# Altium PCB Minion_1_SiC780A_Rev01.PcbDoc (part 4 of 6)
Units mil, origin at the board's own origin, x right, y up, seen from the top; angles counter-clockwise.
Board outline 3937.01 x 3937.01 mil, 4 copper layers (L1, L2, L3, L4), stack 62.087 mil thick; 410 components, 107 nets, 1950 pads, 1997 vias.
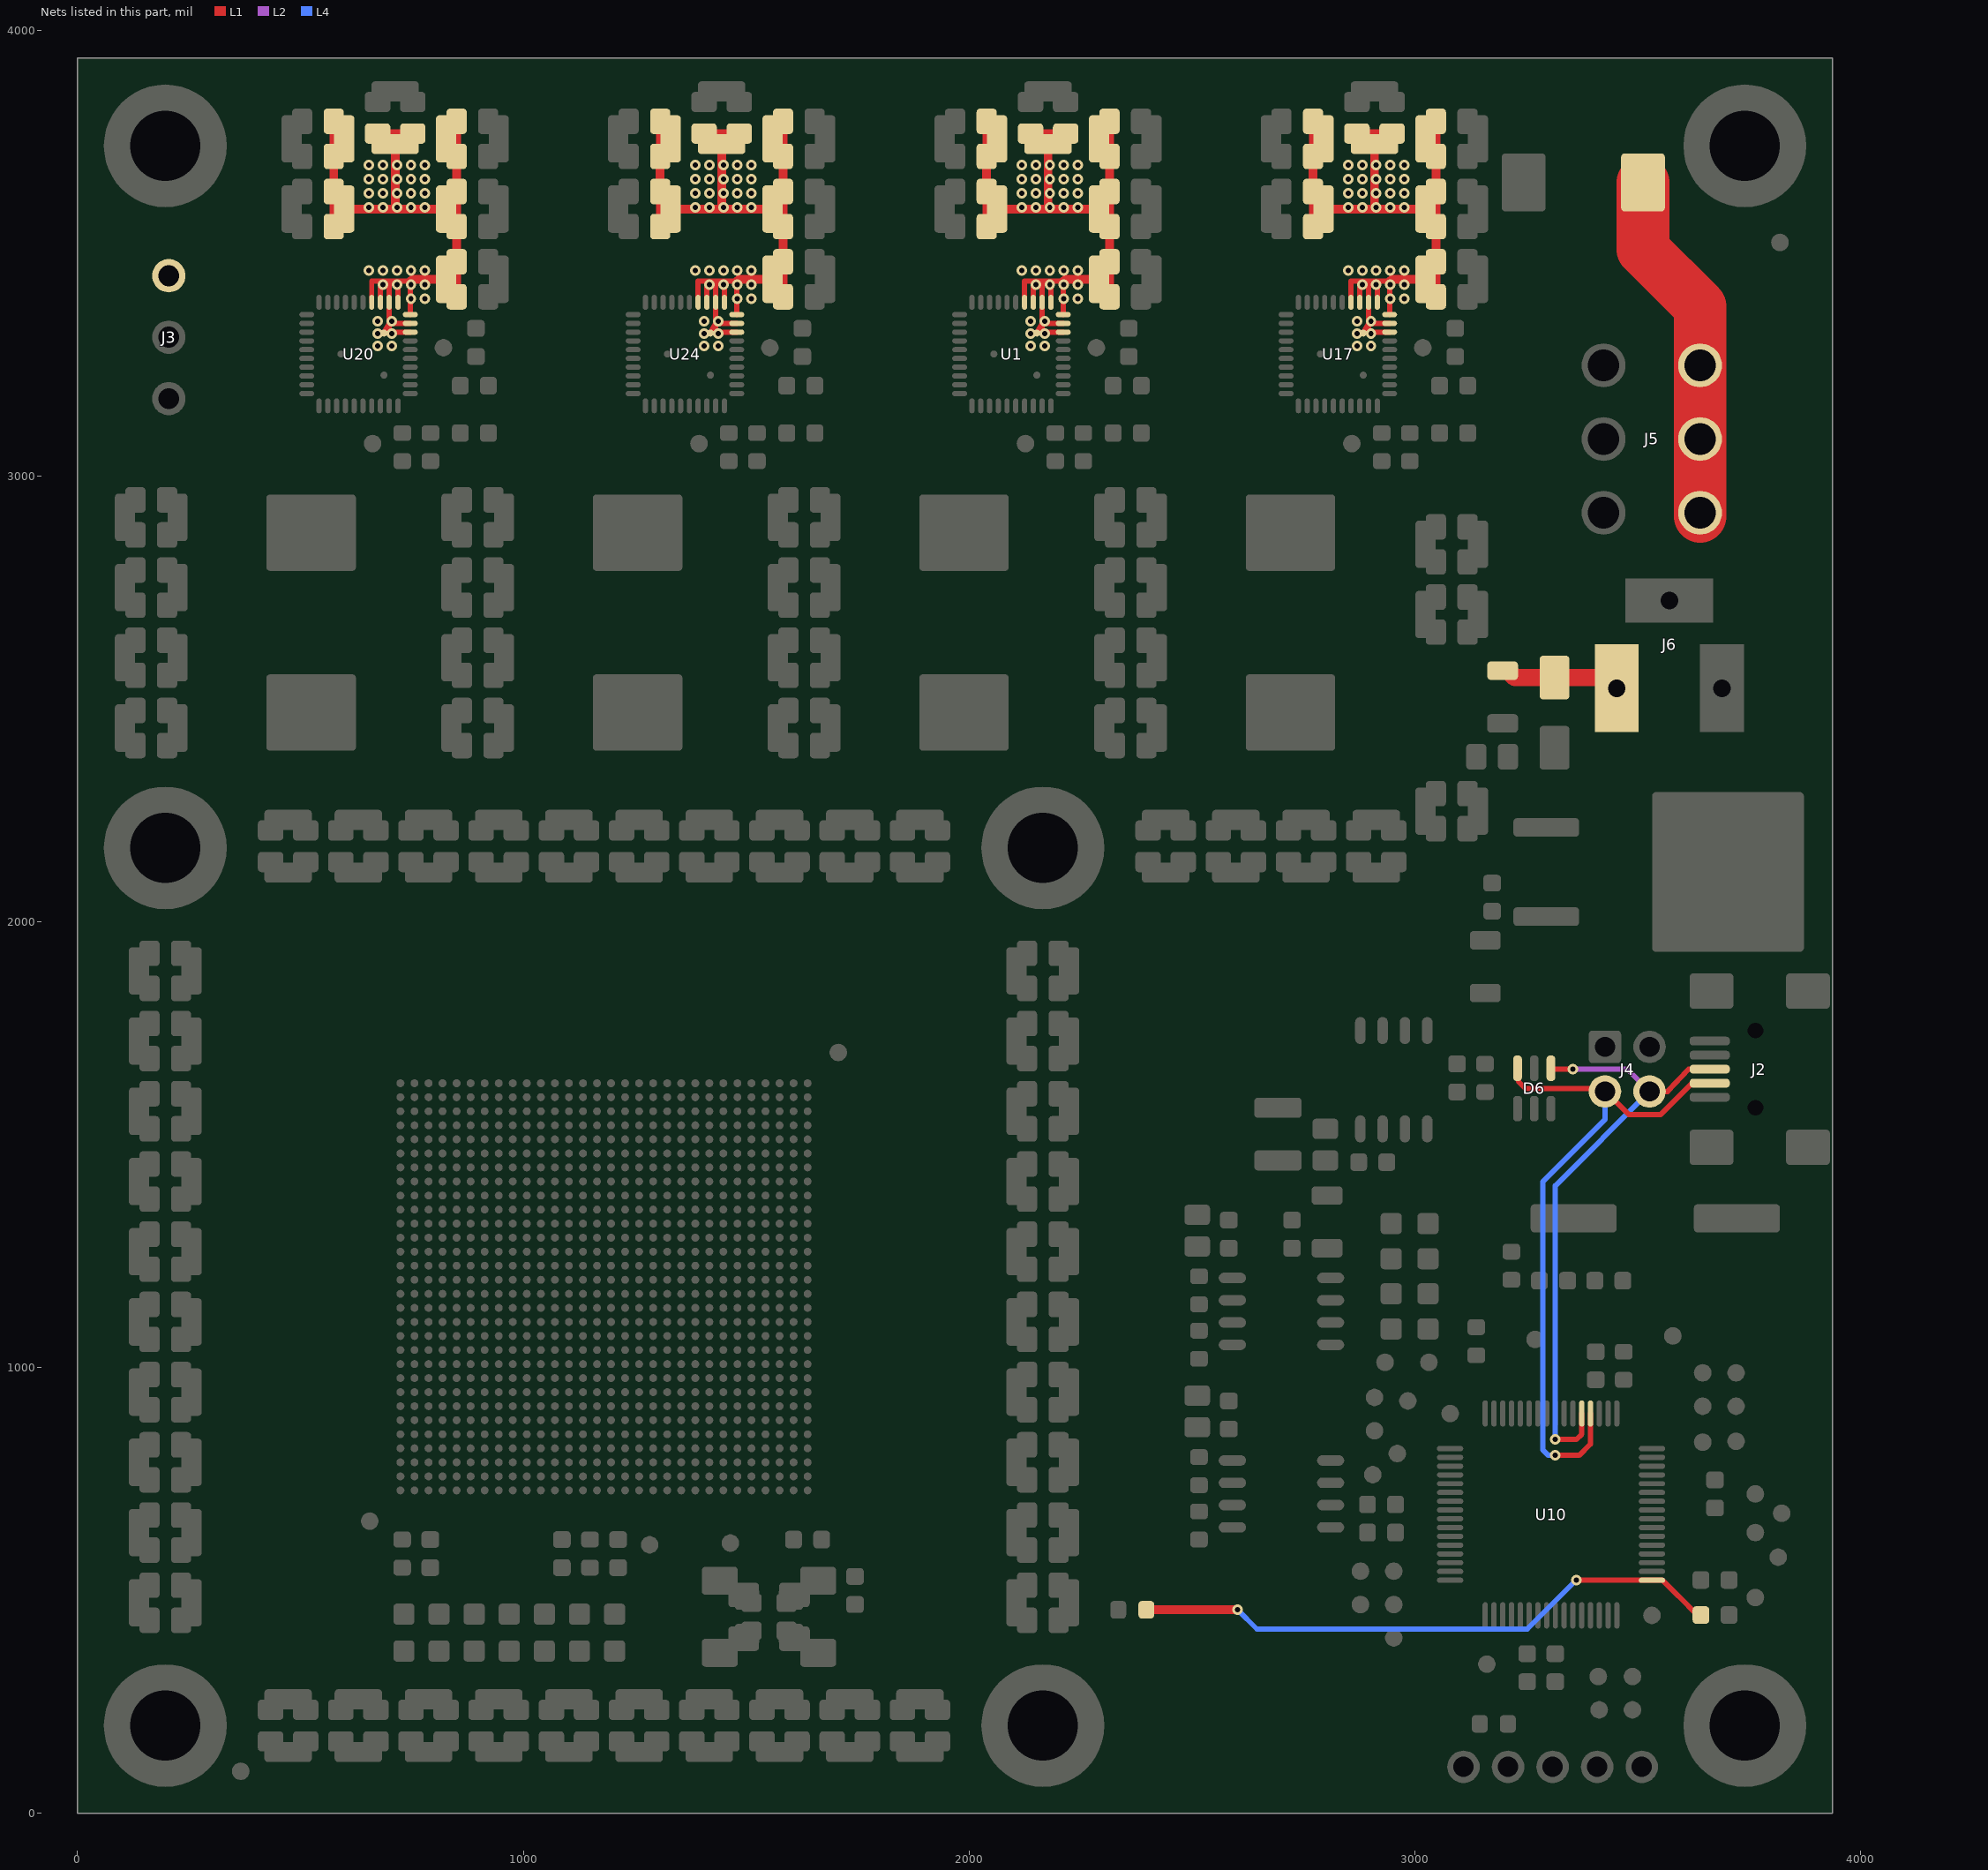
[diagram p6: the nets of this part, all layers, seen from the top]

## Via types
v1: diameter 23.62/23.62/23.62/23.62 (per signal layer), hole 11.81, L1 to L4, 1110 vias
v2: diameter 17.72/17.72/17.72/17.72 (per signal layer), hole 7.87, L1 to L4, 887 vias

## Nets (pads, with @x,y where several pads share a name; then routed paths per layer and width w, separated by ;. In a path a pad name is that pad's centre, name@x,y a point inside that pad or via, vN(x,y) a via of type N, cw(c..) or ccw(c..) an arc to the next point about the centre after c; other vN are vias at no path point) (continued)
12V: C20.1 C21.1 C23.1 C24.1 C25.1 C27.1 C28.1 C29.1 C31.1 C32.2 C41.2 C42.2 C43.2 C47.2 C49.1 C50.1 C51.1 C52.1 C68.1 C69.1 C70.1 C71.1 C92.2 C96.2 C97.1 C98.1 C99.2 C100.1 C101.2 C102.2 C108.1 C109.1 C110.1 C111.1 C112.1 C113.1 C114.1 C115.1 C116.1 C118.1 C119.1 C120.1 C122.1 C123.1 C124.1 C126.1 C127.1 C133.2 C134.2 C258.2 C259.2 C373.2 C374.2 C378.1 C379.1 C380.1 C404.2 C405.2 C406.2 C407.2 C596.2 C598.1 C599.2 C600.1 C602.2 C603.1 C605.2 C606.1 C640.1 C642.1 C711.1 C814.1 D8.2 D28.1 J3.3 J5.1 J5.2 J5.3 J6.1 R13.2 U1.8 U1.9 U1.10 U1.11 U1.12 U1.13 U1.14 U1.42 U17.8 U17.9 U17.10 U17.11 U17.12 U17.13 U17.14 U17.42 U20.8 U20.9 U20.10 U20.11 U20.12 U20.13 U20.14 U20.42 U24.8 U24.9 U24.10 U24.11 U24.12 U24.13 U24.14 U24.42 | length 8462.8
  L1 w11.81: U20.14@659.9,3389.36 659.9,3437.01 v1@679.59,3437.01 ; U20.13@679.59,3389.36 v1@679.59,3437.01 ; U20.42@687.46,3320.46 690.76,3326.51 v1@699.27,3342.11 ; U20.11@718.96,3389.36 v1@718.96,3437.01 ; U20.8@746.51,3322.43 699.27,3322.43 v1@699.27,3342.11 ; U20.9@746.51,3342.11 v1@699.27,3342.11 ; U20.10@746.51,3361.8 746.51,3437.01 v1@718.96,3437.01 ; U24.14@1392.18,3389.36 1392.18,3437.01 v1@1411.87,3437.01 ; U24.13@1411.87,3389.36 v1@1411.87,3437.01 ; U24.42@1419.74,3320.46 1423.04,3326.51 v1@1431.55,3342.11 ; U24.11@1451.24,3389.36 v1@1451.24,3437.01 ; v1@1478.75,3437.01 v1@1451.24,3437.01 ; U24.8@1478.8,3322.43 1431.55,3322.43 v1@1431.55,3342.11 ; U24.9@1478.8,3342.11 v1@1431.55,3342.11 ; U24.10@1478.8,3361.8 v1@1478.8,3437.01 ; U1.14@2124.47,3389.36 2124.47,3437.01 v1@2144.15,3437.01 ; U1.13@2144.15,3389.36 v1@2144.15,3437.01 ; U1.42@2152.03,3320.46 2155.33,3326.51 v1@2163.84,3342.11 ; U1.11@2183.52,3389.36 v1@2183.52,3437.01 ; v1@2211.04,3437.01 v1@2183.52,3437.01 ; U1.8@2211.08,3322.43 2163.84,3322.43 v1@2163.84,3342.11 ; U1.9@2211.08,3342.11 v1@2163.84,3342.11 ; U1.10@2211.08,3361.8 v1@2211.08,3437.01 ; U17.14@2856.75,3389.36 2856.75,3437.01 v1@2876.44,3437.01 ; U17.13@2876.44,3389.36 v1@2876.44,3437.01 ; U17.42@2884.31,3320.46 2887.61,3326.51 v1@2896.12,3342.11 ; U17.11@2915.81,3389.36 v1@2915.81,3437.01 ; U17.8@2943.36,3322.43 2896.12,3322.43 v1@2896.12,3342.11 ; U17.9@2943.36,3342.11 v1@2896.12,3342.11 ; U17.10@2943.36,3361.8 2943.36,3437.01 v1@2915.81,3437.01 ; v1@679.59,3437.01 699.27,3437.01 ; v1@699.27,3342.11 U20.12@699.27,3389.36 699.27,3437.01 ; 699.27,3437.01 v1@718.96,3437.01 ; v1@1411.87,3437.01 1431.55,3437.01 ; v1@1431.55,3342.11 U24.12@1431.55,3389.36 1431.55,3437.01 ; 1431.55,3437.01 v1@1451.24,3437.01 ; v1@2144.15,3437.01 2163.84,3437.01 ; v1@2163.84,3342.11 2163.84,3437.01 ; 2163.84,3437.01 v1@2183.52,3437.01 ; v1@2876.44,3437.01 2896.12,3437.01 ; v1@2896.12,3342.11 U17.12@2896.12,3389.36 2896.12,3437.01 ; 2896.12,3437.01 v1@2915.81,3437.01
  L1 w19.68: C711.1@574.8,3559.06 575.24,3598.68 575.25,3599.99 ; C606.1@574.8,3795.28 575.25,3757.47 ; C605.2@598.43,3755.91 575.25,3757.47 ; C378.1@673.23,3767.72 712.6,3767.72 ; v1@746.47,3437.01 751.97,3440.94 C102.2@826.77,3440.94 850.39,3440.94 ; C20.1@751.97,3767.72 712.6,3767.72 ; C405.2@826.77,3755.91 850.39,3755.91 ; C25.1@850.39,3401.57 850.39,3440.94 ; C379.1@850.39,3795.28 850.39,3755.91 ; C115.1@1307.09,3559.06 1307.52,3598.68 1307.54,3599.99 ; C114.1@1307.09,3795.28 1307.54,3757.47 ; C407.2@1330.71,3755.91 1307.54,3757.47 ; C110.1@1405.51,3767.72 1444.88,3767.72 ; v1@1478.75,3437.01 1484.25,3440.94 C96.2@1559.06,3440.94 1582.68,3440.94 ; C28.1@1484.25,3767.72 1444.88,3767.72 ; C134.2@1559.06,3755.91 1582.68,3755.91 ; C109.1@1582.68,3401.57 1582.68,3440.94 ; C111.1@1582.68,3795.28 1582.68,3755.91 ; C640.1@2039.37,3559.06 2039.81,3598.68 2039.82,3599.99 ; C600.1@2039.37,3795.28 2039.82,3757.47 ; C599.2@2062.99,3755.91 2039.82,3757.47 ; C69.1@2137.8,3767.72 2177.17,3767.72 ; v1@2211.04,3437.01 2216.54,3440.94 C43.2@2291.34,3440.94 2314.96,3440.94 ; C49.1@2216.54,3767.72 2177.17,3767.72 ; C374.2@2291.34,3755.91 2314.96,3755.91 ; C68.1@2314.96,3401.57 2314.96,3440.94 ; C70.1@2314.96,3795.28 2314.96,3755.91 ; C126.1@2771.65,3559.06 2772.09,3598.68 2772.1,3599.99 ; C124.1@2771.65,3795.28 2772.1,3757.47 ; C259.2@2795.28,3755.91 2772.1,3757.47 ; C119.1@2870.08,3767.72 2909.45,3767.72 ; v1@2943.32,3437.01 2948.82,3440.94 C47.2@3023.62,3440.94 3047.24,3440.94 ; C98.1@2948.82,3767.72 2909.45,3767.72 ; C32.2@3023.62,3755.91 3047.24,3755.91 ; C118.1@3047.24,3401.57 3047.24,3440.94 ; C120.1@3047.24,3795.28 3047.24,3755.91 ; 575.25,3599.99 C603.1@574.8,3637.8 C814.1@574.8,3716.54 575.24,3756.16 575.25,3757.47 ; 575.25,3599.99 C602.2@598.43,3598.43 v1@712.6,3598.43 ; v1@712.6,3598.43 C404.2@712.6,3744.09 712.6,3767.72 ; v1@712.6,3598.43 C101.2@826.77,3598.43 850.39,3598.43 ; 850.39,3440.94 C24.1@850.39,3480.31 C21.1@850.39,3559.06 850.39,3598.43 ; 850.39,3598.43 C23.1@850.39,3637.8 C380.1@850.39,3716.54 850.39,3755.91 ; 1307.54,3599.99 C113.1@1307.09,3637.8 C116.1@1307.09,3716.54 1307.52,3756.16 1307.54,3757.47 ; 1307.54,3599.99 C406.2@1330.71,3598.43 v1@1444.88,3598.43 ; v1@1444.88,3598.43 C133.2@1444.88,3744.09 1444.88,3767.72 ; v1@1444.88,3598.43 C92.2@1559.06,3598.43 1582.68,3598.43 ; 1582.68,3440.94 C97.1@1582.68,3480.31 C29.1@1582.68,3559.06 1582.68,3598.43 ; 1582.68,3598.43 C27.1@1582.68,3637.8 C112.1@1582.68,3716.54 1582.68,3755.91 ; 2039.82,3599.99 C598.1@2039.37,3637.8 C642.1@2039.37,3716.54 2039.81,3756.16 2039.82,3757.47 ; 2039.82,3599.99 C596.2@2062.99,3598.43 v1@2177.17,3598.43 ; v1@2177.17,3598.43 C373.2@2177.17,3744.09 2177.17,3767.72 ; v1@2177.17,3598.43 C42.2@2291.34,3598.43 2314.96,3598.43 ; 2314.96,3440.94 C52.1@2314.96,3480.31 C50.1@2314.96,3559.06 2314.96,3598.43 ; 2314.96,3598.43 C51.1@2314.96,3637.8 C71.1@2314.96,3716.54 2314.96,3755.91 ; 2772.1,3599.99 C123.1@2771.65,3637.8 C127.1@2771.65,3716.54 2772.09,3756.16 2772.1,3757.47 ; 2772.1,3599.99 C258.2@2795.28,3598.43 v1@2909.45,3598.43 ; v1@2909.45,3598.43 C99.2@2909.45,3744.09 2909.45,3767.72 ; v1@2909.45,3598.43 C41.2@3023.62,3598.43 3047.24,3598.43 ; 3047.24,3440.94 3047.24,3598.43 ; 3047.24,3598.43 3047.24,3755.91
  L1 w39.37: R13.2@3196.85,2562.99 3209,2562.99 3224.41,2547.58 3452.76,2547.58 J6.1@3452.76,2523.62
  L1 w118.11: D28.1@3511.7,3658.13 3511.7,3507.87 3639.76,3379.81 3639.76,2992.13 J5.3@3639.76,2909.45
  other v1: 673.23,3291.34 704.72,3291.34 1405.51,3291.34 1437.01,3291.34 2137.8,3291.34 2169.29,3291.34 2870.08,3291.34 2901.57,3291.34 673.23,3318.9 704.72,3318.9 1405.51,3318.9 1437.01,3318.9 2137.8,3318.9 2169.29,3318.9 2870.08,3318.9 2901.57,3318.9 673.23,3346.46 704.72,3346.46 1405.51,3346.46 1437.01,3346.46 2137.8,3346.46 2169.29,3346.46 2870.08,3346.46 2901.57,3346.46 748.03,3397.64 779.53,3397.64 1480.31,3397.64 1511.81,3397.64 2212.6,3397.64 2244.09,3397.64 2944.88,3397.64 2976.38,3397.64 685.04,3429.13 716.54,3429.13 748.03,3429.13 779.53,3429.13 1417.32,3429.13 1448.82,3429.13 1480.31,3429.13 1511.81,3429.13 2149.61,3429.13 2181.1,3429.13 2212.6,3429.13 2244.09,3429.13 2881.89,3429.13 2913.39,3429.13 2944.88,3429.13 2976.38,3429.13 653.54,3460.63 685.04,3460.63 716.54,3460.63 748.03,3460.63 779.53,3460.63 1385.83,3460.63 1417.32,3460.63 1448.82,3460.63 1480.31,3460.63 1511.81,3460.63 2118.11,3460.63 2149.61,3460.63 2181.1,3460.63 2212.6,3460.63 2244.09,3460.63 2850.39,3460.63 2881.89,3460.63 2913.39,3460.63 2944.88,3460.63 2976.38,3460.63 653.54,3602.36 685.04,3602.36 716.54,3602.36 748.03,3602.36 779.53,3602.36 1385.83,3602.36 1417.32,3602.36 1448.82,3602.36 1480.31,3602.36 1511.81,3602.36 2118.11,3602.36 2149.61,3602.36 2181.1,3602.36 2212.6,3602.36 2244.09,3602.36 2850.39,3602.36 2881.89,3602.36 2913.39,3602.36 2944.88,3602.36 2976.38,3602.36 653.54,3633.86 685.04,3633.86 716.54,3633.86 748.03,3633.86 779.53,3633.86 1385.83,3633.86 1417.32,3633.86 1448.82,3633.86 1480.31,3633.86 1511.81,3633.86 2118.11,3633.86 2149.61,3633.86 2181.1,3633.86 2212.6,3633.86 2244.09,3633.86 2850.39,3633.86 2881.89,3633.86 2913.39,3633.86 2944.88,3633.86 2976.38,3633.86 653.54,3665.35 685.04,3665.35 716.54,3665.35 748.03,3665.35 779.53,3665.35 1385.83,3665.35 1417.32,3665.35 1448.82,3665.35 1480.31,3665.35 1511.81,3665.35 2118.11,3665.35 2149.61,3665.35 2181.1,3665.35 2212.6,3665.35 2244.09,3665.35 2850.39,3665.35 2881.89,3665.35 2913.39,3665.35 2944.88,3665.35 2976.38,3665.35 653.54,3696.85 685.04,3696.85 716.54,3696.85 748.03,3696.85 779.53,3696.85 1385.83,3696.85 1417.32,3696.85 1448.82,3696.85 1480.31,3696.85 1511.81,3696.85 2118.11,3696.85 2149.61,3696.85 2181.1,3696.85 2212.6,3696.85 2244.09,3696.85 2850.39,3696.85 2881.89,3696.85 2913.39,3696.85 2944.88,3696.85 2976.38,3696.85
D+: D6.1 J2.3 J4.4 U10.37 | length 1378.3
  L1 w11.81: D6.1@3305.12,1671.26 3307.09,1669.29 v1(3354.33,1669.29) ; v1(3314.96,838.58) 3362.2,838.58 3374.31,850.69 U10.37@3374.31,896.97 ; J4.4@3526.38,1619.29 3566.93,1619.29 3614.17,1669.29 J2.3@3661.42,1669.29
  L2 w11.81: v1(3354.33,1669.29) 3476.38,1669.29 J4.4@3526.38,1619.29
  L4 w11.81: v1(3314.96,838.58) 3314.96,1407.87 J4.4@3526.38,1619.29
D-: D6.3 J2.2 J4.3 U10.36 | length 1575.9
  L1 w11.81: D6.3@3230.31,1671.26 3232.28,1669.29 3232.28,1641.73 3248.03,1625.98 3419.68,1625.98 J4.3@3426.38,1619.29 3429.13,1618.11 3480.31,1566.93 3551.18,1566.93 3622.05,1637.8 J2.2@3661.42,1637.8 ; v1(3314.96,803.15) 3368.63,803.15 3394,828.51 U10.36@3394,896.97
  L4 w11.81: v1@3318.9,803.15 v1(3314.96,803.15) 3299.21,803.15 3287.4,814.96 3287.4,1417.32 3426.38,1556.3 J4.3@3426.38,1619.29
FB: C3.1 R6.1 U10.17 | length 1340.3
  L1 w11.81: v1(3362.2,523.62) 3362.87,522.95 U10.17@3531.79,522.95 3555.41,522.95 3590.55,487.82 3590.92,487.82 C3.1@3633.86,444.88
  L1 w19.68: R6.1@2397.64,456.69 v1(2602.36,456.69) ; C3.1@3633.86,444.88 C3.1@3641.73,444.88
  L4 w11.81: v1(2602.36,456.69) 2645.67,413.39 3251.97,413.39 v1(3362.2,523.62)